# KiCad board central-control-unit.kicad_pcb
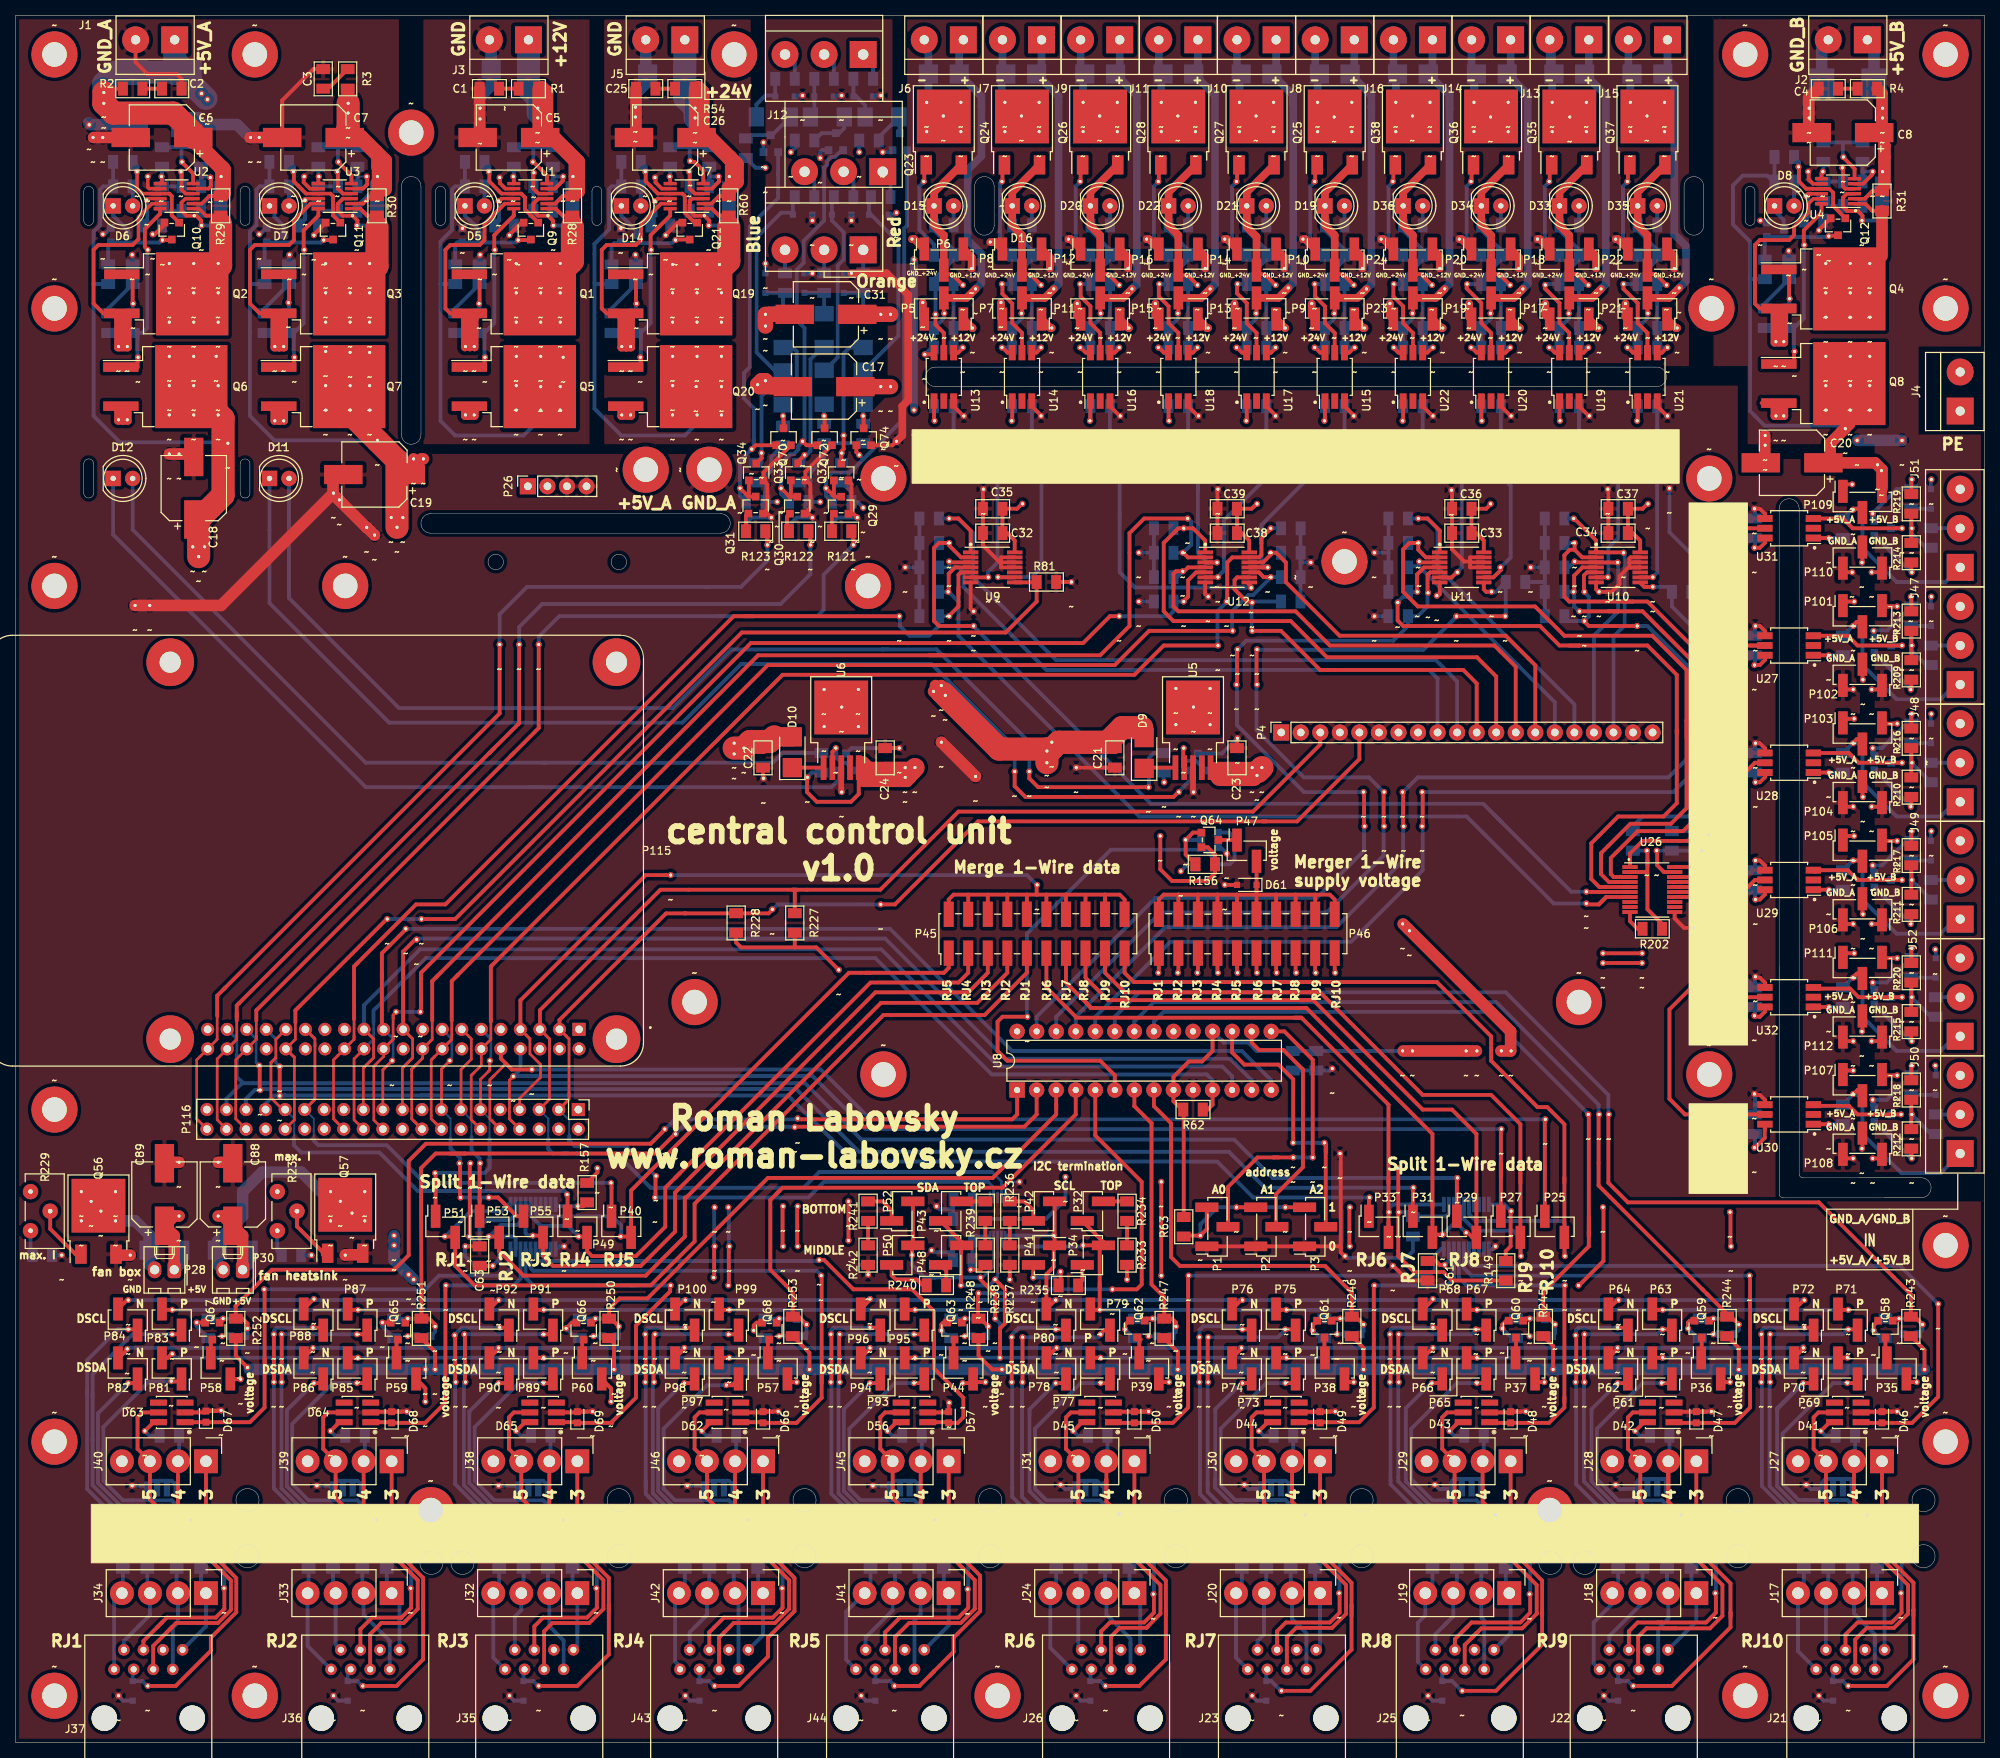
[diagram p0: board, top side]
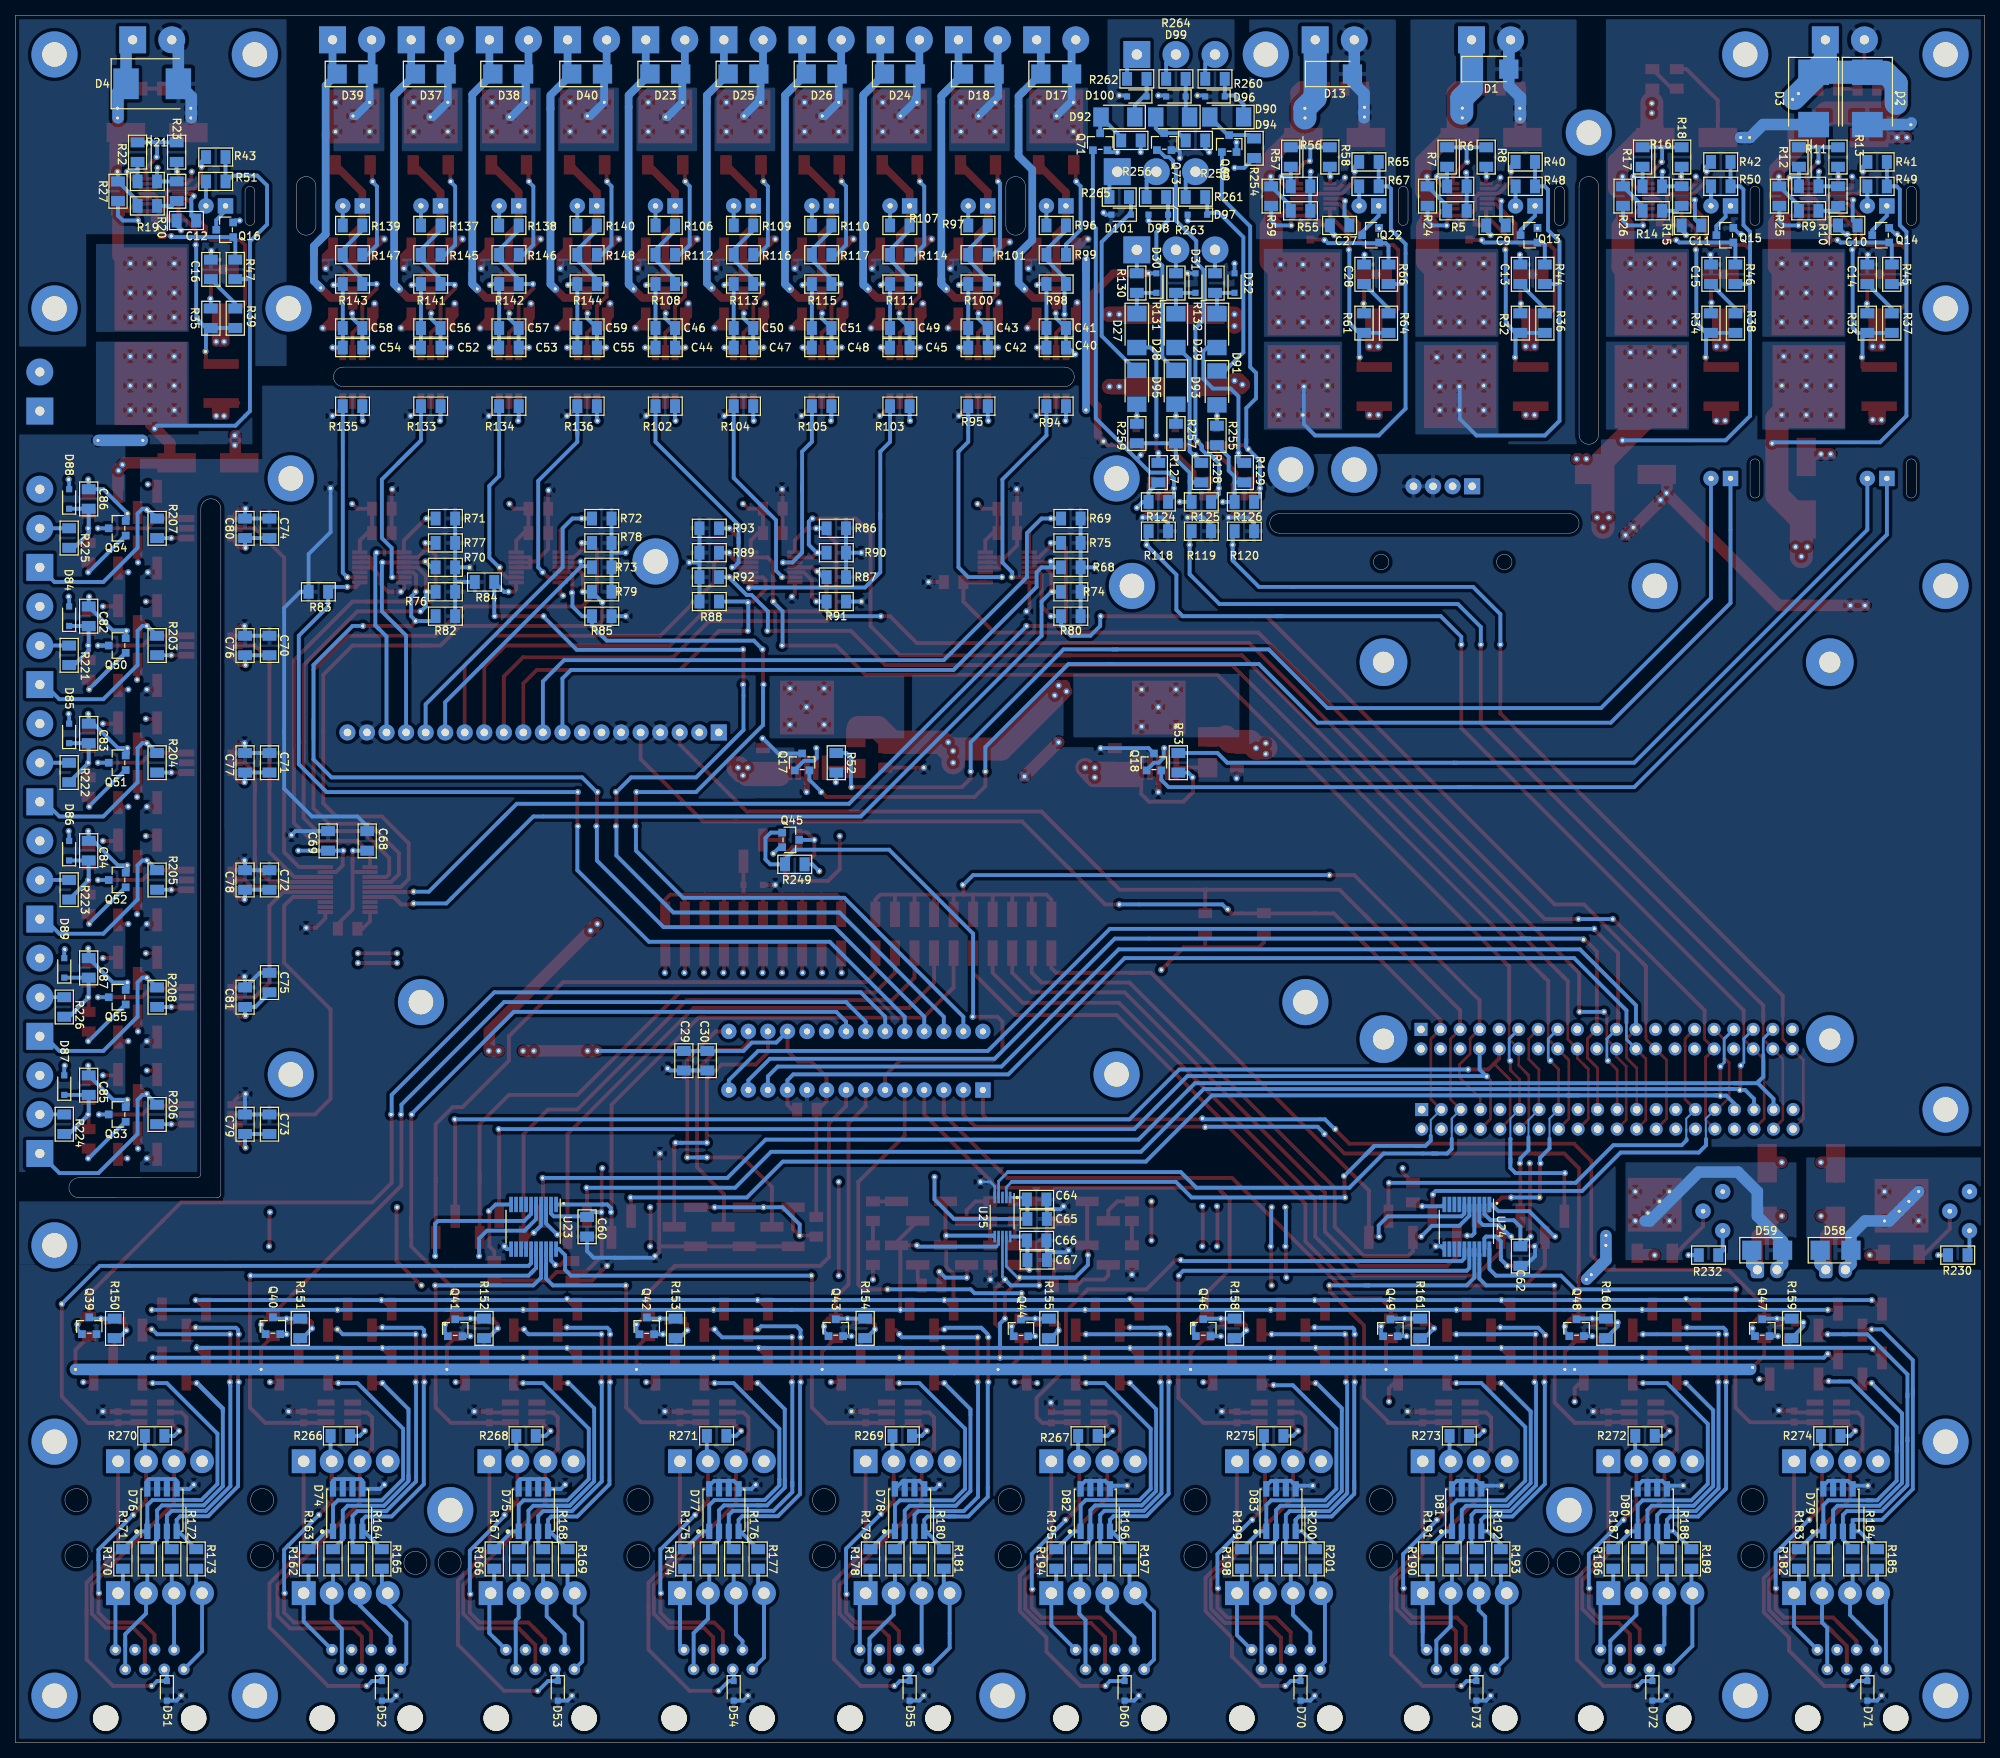
[diagram p1: board, bottom side, seen from below]

Outline 255.91 x 224.54 mm; copper layers: Top, GND.Cu (plane), PWR.Cu (plane), Bottom. Coordinates in mm from the lower left corner of the outline.
Outline path: circle c30.16,31.52 r1.5 ; circle c30.16,24.23 r1.5 ; circle c54.06,23.37 r1.5 ; circle c58.1,23.37 r1.5 ; circle c62.42,153.48 r1 ; circle c78.42,153.48 r1 ; circle c78.42,31.52 r1.5 ; circle c78.42,24.23 r1.5 ; circle c102.55,31.52 r1.5 ; circle c102.55,24.23 r1.5 ; circle c126.68,31.52 r1.5 ; circle c126.68,24.23 r1.5 ; circle c150.81,31.52 r1.5 ; circle c150.81,24.23 r1.5 ; circle c174.94,31.52 r1.5 ; circle c174.94,24.23 r1.5 ; circle c199.48,23.37 r1.5 ; circle c203.92,23.37 r1.5 ; circle c223.84,31.52 r1.5 ; circle c223.84,24.23 r1.5 ; circle c247.97,31.52 r1.5 ; circle c247.97,24.23 r1.5 ; 0,0 0,224.54 255.91,224.54 255.91,0 0,0 ; 8.89,201.68 arc(9.53,202.31) 10.16,201.68 10.16,197.87 arc(9.53,197.23) 8.89,197.87 8.89,201.68 ; 8.89,166.24 arc(9.53,166.88) 10.16,166.24 10.16,162.43 arc(9.53,161.8) 8.89,162.43 8.89,166.24 ; 29.21,201.68 arc(29.84,202.31) 30.48,201.68 30.48,197.87 arc(29.84,197.23) 29.21,197.87 29.21,201.68 ; 29.21,166.24 arc(29.84,166.88) 30.48,166.24 30.48,162.43 arc(29.84,161.8) 29.21,162.43 29.21,166.24 ; 50.16,202.31 arc(51.43,203.58) 52.7,202.31 52.7,170.05 arc(51.43,168.78) 50.16,170.05 50.16,202.31 ; 53.97,157.23 arc(52.7,158.5) 53.97,159.77 91.63,159.77 arc(92.9,158.5) 91.63,157.23 53.97,157.23 ; 54.61,201.68 arc(55.25,202.31) 55.88,201.68 55.88,197.87 arc(55.25,197.23) 54.61,197.87 54.61,201.68 ; 74.93,201.68 arc(75.56,202.31) 76.2,201.68 76.2,197.87 arc(75.56,197.23) 74.93,197.87 74.93,201.68 ; 119.57,176.28 arc(118.3,177.55) 119.57,178.82 213.3,178.82 arc(214.57,177.55) 213.3,176.28 119.57,176.28 ; 124.65,202.31 arc(125.92,203.58) 127.19,202.31 127.19,197.23 arc(125.92,195.96) 124.65,197.23 124.65,202.31 ; 216.85,202.31 arc(218.12,203.58) 219.39,202.31 219.39,197.23 arc(218.12,195.96) 216.85,197.23 216.85,202.31 ; 224.79,201.68 arc(225.43,202.31) 226.06,201.68 226.06,197.87 arc(225.43,197.23) 224.79,197.87 224.79,201.68 ; 229.21,160.4 229.21,71.31 arc(229.36,70.97) 229.71,70.84 247.65,70.84 arc(248.95,72.14) 247.65,73.44 232.31,73.44 arc(231.96,73.57) 231.81,73.91 231.81,160.4 arc(230.51,161.7) 229.21,160.4

## Placement (name value [footprint] x y rotation side)
C1  100nF  [c_1206]  61.59 215.01 180 top
C2  100nF  [c_1206]  20.32 215.01 0 top
C3  100nF  [c_1206]  40 216.28 90 top
C4  100nF  [c_1206]  235.59 215.01 180 top
C5  100uF  [elec_c_8x10.5]  64.14 208.66 180 top
C6  100uF  [elec_c_8x10.5]  19.05 208.66 180 top
C7  100uF  [elec_c_8x10.5]  38.73 208.66 180 top
C8  100uF  [elec_c_8x10.5]  237.49 209.3 180 top
C9  100nF  [c_1206]  63.5 197.23 0 bottom
C10  100nF  [c_1206]  17.78 197.23 0 bottom
C11  100nF  [c_1206]  38.1 197.23 0 bottom
C12  100nF  [c_1206]  233.68 197.87 0 bottom
C13  2.2nF  [c_1206]  60.33 190.88 90 bottom
C14  2.2nF  [c_1206]  15.24 190.88 90 bottom
C15  2.2nF  [c_1206]  35.56 190.88 90 bottom
C16  3.9nF  [c_1206]  230.51 191.52 90 bottom
C17  100uF  [elec_c_8x10.5]  105.09 176.28 180 top
C18  100uF  [elec_c_8x10.5]  23.18 163.07 90 top
C19  100uF  [elec_c_8x10.5]  46.67 164.85 180 top
C20  100uF  [elec_c_8x10.5]  230.89 166.37 180 top
C21  10uF  [c_1206]  142.88 128.02 270 top
C22  10uF  [c_1206]  97.16 128.02 270 top
C23  10uF  [c_1206]  158.75 128.02 90 top
C24  10uF  [c_1206]  113.03 128.02 90 top
C25  100nF  [c_1206]  81.91 215.01 180 top
C26  100uF  [elec_c_8x10.5]  84.45 208.66 180 top
C27  220nF  [c_1206]  83.82 197.23 0 bottom
C28  2.2nF  [c_1206]  80.64 190.88 90 bottom
C29  1uF  [c_1206]  169.04 88.65 270 bottom
C30  100nF  [c_1206]  165.99 88.65 270 bottom
C31  100uF  [elec_c_8x10.5]  105.35 185.67 180 top
C32  100nF  [c_1206]  127 157.23 0 top
C33  100nF  [c_1206]  187.96 157.23 0 top
C34  100nF  [c_1206]  208.28 157.23 0 top
C35  1uF  [c_1206]  127 160.4 180 top
C36  1uF  [c_1206]  187.96 160.4 180 top
C37  1uF  [c_1206]  208.28 160.4 180 top
C38  100nF  [c_1206]  157.48 157.23 0 top
C39  1uF  [c_1206]  157.48 160.4 180 top
C40  100nF  [c_1206]  120.65 181.36 0 bottom
C41  1uF  [c_1206]  120.65 183.9 0 bottom
C42  100nF  [c_1206]  130.81 181.36 0 bottom
C43  1uF  [c_1206]  130.81 183.9 0 bottom
C44  100nF  [c_1206]  171.45 181.36 0 bottom
C45  100nF  [c_1206]  140.97 181.36 0 bottom
C46  1uF  [c_1206]  171.45 183.9 0 bottom
C47  100nF  [c_1206]  161.29 181.36 0 bottom
C48  100nF  [c_1206]  151.13 181.36 0 bottom
C49  1uF  [c_1206]  140.97 183.9 0 bottom
C50  1uF  [c_1206]  161.29 183.9 0 bottom
C51  1uF  [c_1206]  151.13 183.9 0 bottom
C52  100nF  [c_1206]  201.93 181.36 0 bottom
C53  100nF  [c_1206]  191.77 181.36 0 bottom
C54  100nF  [c_1206]  212.09 181.36 0 bottom
C55  100nF  [c_1206]  181.61 181.36 0 bottom
C56  1uF  [c_1206]  201.93 183.9 0 bottom
C57  1uF  [c_1206]  191.77 183.9 0 bottom
C58  1uF  [c_1206]  212.09 183.9 0 bottom
C59  1uF  [c_1206]  181.61 183.9 0 bottom
C60  100nF  [c_1206]  181.61 67.06 90 bottom
C61  100nF  [c_1206]  183.52 61.34 270 top
C62  100nF  [c_1206]  60.33 63.25 90 bottom
C63  100nF  [c_1206]  60.33 63.25 90 top
C64  1uF  [c_1206]  123.19 70.61 180 bottom
C65  100nF  [c_1206]  123.13 68.07 180 bottom
C66  100nF  [c_1206]  123.19 65.28 180 bottom
C67  1uF  [c_1206]  123.13 62.74 180 bottom
C68  100nF  [c_1206]  210.19 117.22 270 bottom
C69  100nF  [c_1206]  215.27 117.22 90 bottom
C70  1uF  [c_1206]  222.89 142.62 90 bottom
C71  1uF  [c_1206]  222.89 127.38 90 bottom
C72  1uF  [c_1206]  222.89 112.14 90 bottom
C73  1uF  [c_1206]  222.89 80.39 90 bottom
C74  1uF  [c_1206]  222.89 157.86 90 bottom
C75  1uF  [c_1206]  222.89 98.81 90 bottom
C76  100nF  [c_1206]  226.06 142.62 90 bottom
C77  100nF  [c_1206]  226.06 127.38 90 bottom
C78  100nF  [c_1206]  226.06 112.14 90 bottom
C79  100nF  [c_1206]  226.06 80.39 90 bottom
C80  100nF  [c_1206]  226.06 157.86 90 bottom
C81  100nF  [c_1206]  226.06 96.9 90 bottom
C82  100nF  [c_1206]  246.38 146.43 90 bottom
C83  100nF  [c_1206]  246.38 131.19 90 bottom
C84  100nF  [c_1206]  246.38 115.95 90 bottom
C85  100nF  [c_1206]  246.38 85.47 90 bottom
C86  100nF  [c_1206]  246.38 161.67 90 bottom
C87  100nF  [c_1206]  246.38 100.71 90 bottom
C88  100uF  [elec_c_8x10.5]  28.26 71.25 90 top
C89  100uF  [elec_c_8x10.5]  19.37 71.25 90 top
D1  SMBJ12CA-E3/52  [smb]  64.14 217.55 180 bottom
D2  SMCJ5.0CA-13-F  [smc]  15.24 213.74 270 bottom
D3  SMCJ5.0CA-13-F  [smc]  22.23 213.74 270 bottom
D4  SMCJ5.0CA-13-F  [smc]  238.12 215.65 180 bottom
D5  LL-503VC1E-4C  [led_d5mm_2.54mm]  59.69 199.77 0 top
D6  LL-503VC1E-4C  [led_d5mm_2.54mm]  13.97 199.77 0 top
D7  LL-503VC1E-4C  [led_d5mm_2.54mm]  34.29 199.77 0 top
D8  LL-503VC1E-4C  [led_d5mm_2.54mm]  229.87 199.77 0 top
D9  STPS1L30U  [sma]  146.69 128.65 90 top
D10  STPS1L30U  [sma]  100.97 128.75 90 top
D11  LL-503VC1E-4C  [led_d5mm_2.54mm]  34.29 164.34 0 top
D12  LL-503VC1E-4C  [led_d5mm_2.54mm]  13.97 164.34 0 top
D13  SMBJ24CA-TR  [smb]  84.45 216.92 180 bottom
D14  LL-503VC1E-4C  [led_d5mm_2.54mm]  80.01 199.77 0 top
D15  LL-504PGC1E-G5-2B  [led_d5mm_2.54mm]  120.65 199.77 0 top
D16  LL-504PGC1E-G5-2B  [led_d5mm_2.54mm]  130.81 199.77 0 top
D17  STPS160A  [sma]  120.65 216.92 180 bottom
D18  STPS160A  [sma]  130.72 216.92 180 bottom
D19  LL-504PGC1E-G5-2B  [led_d5mm_2.54mm]  171.45 199.77 0 top
D20  LL-504PGC1E-G5-2B  [led_d5mm_2.54mm]  140.97 199.77 0 top
D21  LL-504PGC1E-G5-2B  [led_d5mm_2.54mm]  161.29 199.77 0 top
D22  LL-504PGC1E-G5-2B  [led_d5mm_2.54mm]  151.13 199.77 0 top
D23  STPS160A  [sma]  171.45 216.92 180 bottom
D24  STPS160A  [sma]  140.97 216.92 180 bottom
D25  STPS160A  [sma]  161.29 216.92 180 bottom
D26  STPS160A  [sma]  151.13 216.92 180 bottom
D27  PMEG40T30EPX  [sod_128]  110.17 183.56 270 bottom
D28  PMEG40T30EPX  [sod_128]  105.09 183.56 270 bottom
D29  PMEG40T30EPX  [sod_128]  99.76 183.56 270 bottom
D30  SD05-7  [sod_323]  107.63 189.74 90 bottom
D31  SD05-7  [sod_323]  102.55 189.74 90 bottom
D32  SD05-7  [sod_323]  97.47 189.74 90 bottom
D33  LL-504PGC1E-G5-2B  [led_d5mm_2.54mm]  201.93 199.77 0 top
D34  LL-504PGC1E-G5-2B  [led_d5mm_2.54mm]  191.77 199.77 0 top
D35  LL-504PGC1E-G5-2B  [led_d5mm_2.54mm]  212.09 199.77 0 top
D36  LL-504PGC1E-G5-2B  [led_d5mm_2.54mm]  181.61 199.77 0 top
D37  STPS160A  [sma]  201.93 216.92 180 bottom
D38  STPS160A  [sma]  191.87 216.92 180 bottom
D39  STPS160A  [sma]  212.09 216.92 180 bottom
D40  STPS160A  [sma]  181.61 216.92 180 bottom
D41  DS9503_us  [tsoc_6]  238.12 42.93 180 top
D42  DS9503_us  [tsoc_6]  213.82 42.93 180 top
D43  DS9503_us  [tsoc_6]  189.87 42.93 180 top
D44  DS9503_us  [tsoc_6]  165.1 42.93 180 top
D45  DS9503_us  [tsoc_6]  140.97 42.93 180 top
D46  UCLAMP0501H.TCT  [sod_523]  242.57 42.29 90 top
D47  UCLAMP0501H.TCT  [sod_523]  218.44 42.29 90 top
D48  UCLAMP0501H.TCT  [sod_523]  194.31 42.29 90 top
D49  UCLAMP0501H.TCT  [sod_523]  169.55 42.29 90 top
D50  UCLAMP0501H.TCT  [sod_523]  145.42 42.29 90 top
D51  SD05-7  [sod_323]  236.22 6.73 270 bottom
D52  SD05-7  [sod_323]  208.28 6.73 270 bottom
D53  SD05-7  [sod_323]  185.42 6.73 270 bottom
D54  SD05-7  [sod_323]  162.56 6.73 270 bottom
D55  SD05-7  [sod_323]  139.7 6.73 270 bottom
D56  DS9503_us  [tsoc_6]  116.84 42.93 180 top
D57  UCLAMP0501H.TCT  [sod_523]  121.29 42.29 90 top
D58  STPS160A  [sma]  19.37 64.01 180 bottom
D59  STPS160A  [sma]  28.26 64.01 180 bottom
D60  SD05-7  [sod_323]  111.76 6.73 270 bottom
D61  SD05-7  [sod_323]  160.02 111.51 180 top
D62  DS9503_us  [tsoc_6]  92.53 42.93 180 top
D63  DS9503_us  [tsoc_6]  20.32 42.93 180 top
D64  DS9503_us  [tsoc_6]  44.45 42.93 180 top
D65  DS9503_us  [tsoc_6]  68.58 42.93 180 top
D66  UCLAMP0501H.TCT  [sod_523]  97.16 42.29 90 top
D67  UCLAMP0501H.TCT  [sod_523]  24.77 42.38 90 top
D68  UCLAMP0501H.TCT  [sod_523]  48.89 42.29 90 top
D69  UCLAMP0501H.TCT  [sod_523]  73.02 42.29 90 top
D70  SD05-7  [sod_323]  88.9 6.73 270 bottom
D71  SD05-7  [sod_323]  15.24 6.73 270 bottom
D72  SD05-7  [sod_323]  43.18 6.73 270 bottom
D73  SD05-7  [sod_323]  66.04 6.73 270 bottom
D74  SMDA05CDR2G  [soic_8_3.9mmx4.9mm]  212.73 30.23 90 bottom
D75  SMDA05CDR2G  [soic_8_3.9mmx4.9mm]  188.59 30.23 90 bottom
D76  SMDA05CDR2G  [soic_8_3.9mmx4.9mm]  236.86 30.23 90 bottom
D77  SMDA05CDR2G  [soic_8_3.9mmx4.9mm]  163.83 30.23 90 bottom
D78  SMDA05CDR2G  [soic_8_3.9mmx4.9mm]  139.7 30.23 90 bottom
D79  SMDA05CDR2G  [soic_8_3.9mmx4.9mm]  19.05 30.23 90 bottom
D80  SMDA05CDR2G  [soic_8_3.9mmx4.9mm]  43.18 30.23 90 bottom
D81  SMDA05CDR2G  [soic_8_3.9mmx4.9mm]  67.31 30.23 90 bottom
D82  SMDA05CDR2G  [soic_8_3.9mmx4.9mm]  115.57 30.23 90 bottom
D83  SMDA05CDR2G  [soic_8_3.9mmx4.9mm]  91.44 30.23 90 bottom
D84  SD05-7  [sod_323]  248.92 146.43 90 bottom
D85  SD05-7  [sod_323]  248.92 131.19 90 bottom
D86  SD05-7  [sod_323]  248.92 115.95 90 bottom
D87  SD05-7  [sod_323]  249.56 85.47 90 bottom
D88  SD05-7  [sod_323]  248.92 161.67 90 bottom
D89  SD05-7  [sod_323]  249.56 100.71 90 bottom
D90  PMEG40T30EPX  [sod_128]  98.49 211.33 0 bottom
D91  PMEG40T30EPX  [sod_128]  99.76 176.11 270 bottom
D92  PMEG40T30EPX  [sod_128]  112.63 211.33 0 bottom
D93  PMEG40T30EPX  [sod_128]  105.09 176.19 270 bottom
D94  PMEG40T30EPX  [sod_128]  105.51 211.33 0 bottom
D95  PMEG40T30EPX  [sod_128]  110.17 176.19 270 bottom
D96  SD05-7  [sod_323]  100.01 214 0 bottom
D97  SD05-7  [sod_323]  102.3 198.63 0 bottom
D98  SD05-7  [sod_323]  107.38 198.63 0 bottom
D99  SD05-7  [sod_323]  105.09 214 0 bottom
D100  SD05-7  [sod_323]  110.17 214 0 bottom
D101  SD05-7  [sod_323]  112.2 198.63 0 bottom
J1  1x2_screw_term_block  [EBBA-02-C-SS-BU]  18.16 221.36 180 top
J2  1x2_screw_term_block  [EBBA-02-C-SS-BU]  238.12 221.36 180 top
J3  1x2_screw_term_block  [EBBA-02-C-SS-BU]  64.14 221.36 180 top
J4  1x2_screw_term_block  [EBBA-02-C-SS-BU]  252.73 175.64 90 top
J5  1x2_screw_term_block  [EBBA-02-C-SS-BU]  84.45 221.36 180 top
J6  1x2_screw_term_block  [EBBA-02-C-SS-BU]  120.65 221.36 180 top
J7  1x2_screw_term_block  [EBBA-02-C-SS-BU]  130.81 221.36 180 top
J8  1x2_screw_term_block  [EBBA-02-C-SS-BU]  171.45 221.36 180 top
J9  1x2_screw_term_block  [EBBA-02-C-SS-BU]  140.97 221.36 180 top
J10  1x2_screw_term_block  [EBBA-02-C-SS-BU]  161.29 221.36 180 top
J11  1x2_screw_term_block  [EBBA-02-C-SS-BU]  151.13 221.36 180 top
J12  -  [AKZ770_3-5.08-V-GREEN]  105.09 204.22 180 top
J13  1x2_screw_term_block  [EBBA-02-C-SS-BU]  201.93 221.36 180 top
J14  1x2_screw_term_block  [EBBA-02-C-SS-BU]  191.77 221.36 180 top
J15  1x2_screw_term_block  [EBBA-02-C-SS-BU]  212.15 221.36 180 top
J16  1x2_screw_term_block  [EBBA-02-C-SS-BU]  181.61 221.36 180 top
J17  1x4_idc_lsa  [1x4_idc_lsa_connector_general]  242.57 19.43 270 top
J18  1x4_idc_lsa  [1x4_idc_lsa_connector_general]  218.44 19.43 270 top
J19  1x4_idc_lsa  [1x4_idc_lsa_connector_general]  194.14 19.43 270 top
J20  1x4_idc_lsa  [1x4_idc_lsa_connector_general]  169.55 19.43 270 top
J21  54601-908WPLF  [rj45_54601-908WPLF]  238.46 3.18 0 top
J22  54601-908WPLF  [rj45_54601-908WPLF]  210.31 3.18 0 top
J23  54601-908WPLF  [rj45_54601-908WPLF]  164.59 3.18 0 top
J24  1x4_idc_lsa  [1x4_idc_lsa_connector_general]  145.42 19.43 270 top
J25  54601-908WPLF  [rj45_54601-908WPLF]  187.71 3.18 0 top
J26  54601-908WPLF  [rj45_54601-908WPLF]  141.73 3.18 0 top
J27  1x4_idc_lsa  [1x4_idc_lsa_connector_general]  242.57 36.58 270 top
J28  1x4_idc_lsa  [1x4_idc_lsa_connector_general]  218.44 36.58 270 top
J29  1x4_idc_lsa  [1x4_idc_lsa_connector_general]  194.31 36.58 270 top
J30  1x4_idc_lsa  [1x4_idc_lsa_connector_general]  169.55 36.58 270 top
J31  1x4_idc_lsa  [1x4_idc_lsa_connector_general]  145.42 36.58 270 top
J32  1x4_idc_lsa  [1x4_idc_lsa_connector_general]  73.02 19.43 270 top
J33  1x4_idc_lsa  [1x4_idc_lsa_connector_general]  48.89 19.43 270 top
J34  1x4_idc_lsa  [1x4_idc_lsa_connector_general]  24.77 19.43 270 top
J35  54601-908WPLF  [rj45_54601-908WPLF]  68.07 3.18 0 top
J36  54601-908WPLF  [rj45_54601-908WPLF]  45.47 3.18 0 top
J37  54601-908WPLF  [rj45_54601-908WPLF]  17.27 3.18 0 top
J38  1x4_idc_lsa  [1x4_idc_lsa_connector_general]  73.02 36.58 270 top
J39  1x4_idc_lsa  [1x4_idc_lsa_connector_general]  48.89 36.58 270 top
J40  1x4_idc_lsa  [1x4_idc_lsa_connector_general]  24.77 36.58 270 top
J41  1x4_idc_lsa  [1x4_idc_lsa_connector_general]  121.29 19.43 270 top
J42  1x4_idc_lsa  [1x4_idc_lsa_connector_general]  97.16 19.43 270 top
J43  54601-908WPLF  [rj45_54601-908WPLF]  90.8 3.18 0 top
J44  54601-908WPLF  [rj45_54601-908WPLF]  113.66 3.18 0 top
J45  1x4_idc_lsa  [1x4_idc_lsa_connector_general]  121.29 36.58 270 top
J46  1x4_idc_lsa  [1x4_idc_lsa_connector_general]  97.16 36.58 270 top
J47  1x3_screw_term_block  [EBBA-03-C-SS-BU]  252.73 142.62 90 top
J48  1x3_screw_term_block  [EBBA-03-C-SS-BU]  252.73 127.38 90 top
J49  1x3_screw_term_block  [EBBA-03-C-SS-BU]  252.73 112.14 90 top
J50  1x3_screw_term_block  [EBBA-03-C-SS-BU]  252.73 81.66 90 top
J51  1x3_screw_term_block  [EBBA-03-C-SS-BU]  252.73 157.86 90 top
J52  1x3_screw_term_block  [EBBA-03-C-SS-BU]  252.73 96.9 90 top
P1  1x3_pin_header  [1x3_pinheader_2.54mm_vertical]  156.21 67.06 90 top
P2  1x3_pin_header  [1x3_pinheader_2.54mm_vertical]  162.56 67.06 90 top
P3  1x3_pin_header  [1x3_pinheader_2.54mm_vertical]  168.91 67.06 90 top
P4  1x20_pin_socket  [1x20_pinsocket_2.54mm_vertical_8.5mm]  164.5 131.32 90 top
P5  1x3_pin_header  [1x3_pinheader_2.54mm_vertical]  120.65 186.44 180 top
P6  1x3_pin_header  [1x3_pinheader_2.54mm_vertical]  120.65 192.79 0 top
P7  1x3_pin_header  [1x3_pinheader_2.54mm_vertical]  130.81 186.44 180 top
P8  1x3_pin_header  [1x3_pinheader_2.54mm_vertical]  130.81 192.79 0 top
P9  1x3_pin_header  [1x3_pinheader_2.54mm_vertical]  171.45 186.44 180 top
P10  1x3_pin_header  [1x3_pinheader_2.54mm_vertical]  171.45 192.79 0 top
P11  1x3_pin_header  [1x3_pinheader_2.54mm_vertical]  140.97 186.44 180 top
P12  1x3_pin_header  [1x3_pinheader_2.54mm_vertical]  140.97 192.79 0 top
P13  1x3_pin_header  [1x3_pinheader_2.54mm_vertical]  161.29 186.44 180 top
P14  1x3_pin_header  [1x3_pinheader_2.54mm_vertical]  161.29 192.79 0 top
P15  1x3_pin_header  [1x3_pinheader_2.54mm_vertical]  151.13 186.44 180 top
P16  1x3_pin_header  [1x3_pinheader_2.54mm_vertical]  151.13 192.79 0 top
P17  1x3_pin_header  [1x3_pinheader_2.54mm_vertical]  201.93 186.44 180 top
P18  1x3_pin_header  [1x3_pinheader_2.54mm_vertical]  201.93 192.79 0 top
P19  1x3_pin_header  [1x3_pinheader_2.54mm_vertical]  191.77 186.44 180 top
P20  1x3_pin_header  [1x3_pinheader_2.54mm_vertical]  191.77 192.79 0 top
P21  1x3_pin_header  [1x3_pinheader_2.54mm_vertical]  212.09 186.44 180 top
P22  1x3_pin_header  [1x3_pinheader_2.54mm_vertical]  212.09 192.79 0 top
P23  1x3_pin_header  [1x3_pinheader_2.54mm_vertical]  181.61 186.44 180 top
P24  1x3_pin_header  [1x3_pinheader_2.54mm_vertical]  181.61 192.79 0 top
P25  1x2_pin_header  [1x2_pinheader_2.54mm_vertical]  200.03 67.06 0 top
P26  1x4_pin_socket  [1x4_pinsocket_2.54mm_vertical_8.4mm]  66.6 163.32 90 top
P27  1x2_pin_header  [1x2_pinheader_2.54mm_vertical]  194.31 67.06 0 top
P28  1x2_pin_header  [molex_kk_254_1x02_2.54mm_22112022_vertical]  19.37 61.47 180 top
P29  1x2_pin_header  [1x2_pinheader_2.54mm_vertical]  188.59 67.06 0 top
P30  1x2_pin_header  [molex_kk_254_1x02_2.54mm_22112022_vertical]  28.26 61.47 180 top
P31  1x2_pin_header  [1x2_pinheader_2.54mm_vertical]  182.88 67.06 0 top
P32  1x2_pin_header  [1x2_pinheader_2.54mm_vertical]  140.02 69.09 90 top
P33  1x2_pin_header  [1x2_pinheader_2.54mm_vertical]  177.17 67.06 0 top
P34  1x2_pin_header  [1x2_pinheader_2.54mm_vertical]  140.02 63.37 90 top
P35  1x2_pin_header  [1x2_pinheader_2.54mm_vertical]  244.48 48.64 0 top
P36  1x2_pin_header  [1x2_pinheader_2.54mm_vertical]  220.34 48.64 0 top
P37  1x2_pin_header  [1x2_pinheader_2.54mm_vertical]  196.22 48.64 0 top
P38  1x2_pin_header  [1x2_pinheader_2.54mm_vertical]  171.45 48.64 0 top
P39  1x2_pin_header  [1x2_pinheader_2.54mm_vertical]  147.32 48.64 0 top